# KiCad board PCB.kicad_pcb (continued)
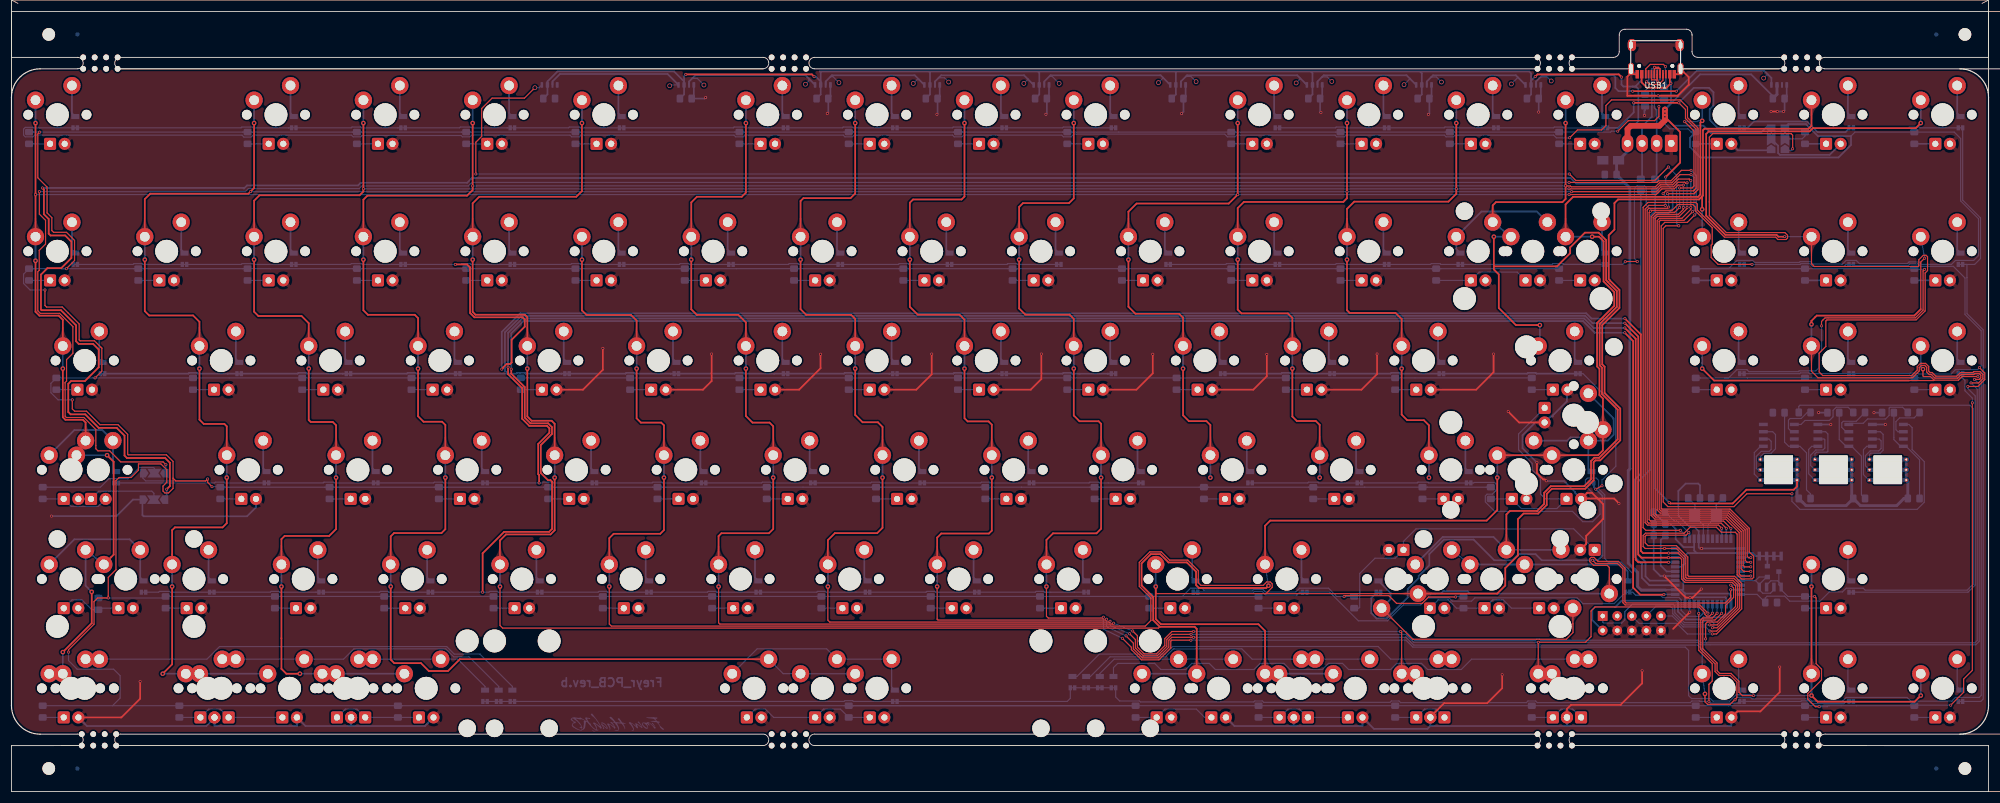
[diagram p0: board, top side]
## Routing (per net, layer and track width the routed paths; a pad name or vN(x,y) marks a point on that pad's centre or on a via; arc(x,y) is an arc through that point) (continued)
VCC: length 1009.7
  Top w0.3: USB1.11 284.14,125.04 284.14,123.66 285.08,122.72 288.47,122.72 v1(289.25,123.5) 289.06,123.68 USB1.2 ; v1(280.64,124.57) 280.16,125.04 265.99,125.04 v1(265.6,124.65) ; v1(288.2,117.64) 290.85,114.99 290.85,109.66 v1(288.34,107.14) ; v1(117.55,125.05) 117.56,125.04 139.52,125.04 v1(139.89,124.67) ; v1(288.94,50.41) 289.13,50.23 300.02,50.23 302.41,52.62 310.66,52.62 311.24,53.2 D232.6 ; v1(5.4,105.24) 5.65,104.99 5.65,100.66 6.49,99.83 6.49,97.27 6.81,96.95 9.36,96.95 10.44,95.87 10.44,93.03 8.67,91.26 6.26,91.26 5.14,90.13 5.14,84.04 5.26,83.93 8.62,83.93 11.25,81.29 11.25,78.51 11.73,78.04 14.24,78.04 15.21,77.07 15.21,73.98 12.8,71.57 10.38,71.57 9.9,71.09 9.9,66.18 10.31,65.76 12.85,65.76 15.21,63.41 18.34,63.41 19.7,62.05 19.7,58.57 20.12,58.16 26.78,58.16 27.61,57.32 27.61,53.27 v1(27.06,52.71)
  Top w1: J2.4 281.68,115.51 282.25,116.08 287.24,116.08 288.2,117.04 v1(288.2,117.64) 288.2,118.91 v1(288.21,118.91)
  Bottom w0.3: 291.47,39.56 291.09,39.18 U1.7 ; 291.47,39.56 291.4,39.49 291.4,35.25 291.19,35.04 ; 291.47,39.56 291.68,39.76 291.68,41.08 292.18,41.58 293.75,41.58 ; 291.19,35.04 291.34,34.89 ; 291.19,35.04 291.05,35.18 U1.2 288.35,35.18 288.31,35.13 ; 293.75,41.58 U1.24 303.53,41.58 304.06,41.05 Q2.5 Q2.8 ; 293.75,41.58 293.3,42.03 293.3,42.62 ; v1(265.6,124.65) 264.87,123.92 D230.4 ; 159.94,125.55 160.1,125.4 D225.4 160.1,121.55 C15.1 ; 159.94,125.55 140.9,125.55 141.05,125.4 D224.4 ; 159.94,125.55 178.93,125.55 ; Q2.6 306.06,40.91 Q1.2 ; D223.4 117.24,124.74 v1(117.55,125.05) ; D223.4 117.24,121.55 C12.1 ; D223.4 117.24,123.81 115.48,125.56 95.18,125.56 93.42,123.81 D222.4 93.42,121.55 C13.1 ; 293.3,42.62 291.46,42.62 290.08,44 290.08,45.82 289.22,46.68 C16.1 286.3,48.68 R1.2 ; 293.3,42.62 U1.14 ; 245.51,125.55 245.82,125.24 D229.4 245.82,121.55 C7.1 ; 245.51,125.55 226.48,125.55 ; 245.51,125.55 264.54,125.55 264.87,125.22 D230.4 ; J2.4 281.68,115 283.56,116.87 283.56,122.52 283.15,122.93 282.58,122.93 ; v1(288.94,50.41) 286.51,52.84 286.51,100.3 287.08,100.86 288.84,100.86 289.55,101.58 289.55,104.86 288.34,106.07 v1(288.34,107.14) ; 226.48,125.55 226.77,125.26 226.77,121.55 C14.1 ; 226.48,125.55 202.84,125.55 ; J4.2 275.56,29.87 275.56,31.71 276.06,32.21 279.58,32.21 280.65,33.28 290.26,33.28 290.47,33.07 290.47,31.38 291.85,30 294.57,30 294.95,30.38 298.45,30.38 299.7,31.63 U1.34 299.7,34.17 299.36,34.51 291.72,34.51 291.34,34.89 ; D230.4 264.87,121.55 C1.1 ; USB1.2 289.06,124.04 289.25,123.86 v1(289.25,123.5) 289.25,119.96 v1(288.21,118.91) 294.33,125.04 303.23,125.04 307.01,121.26 C2.1 ; C9.1 179.15,121.55 D226.4 179.15,125.33 178.93,125.55 ; 291.34,34.89 291.7,34.53 U1.44 ; D224.4 141.05,123.81 140.19,124.67 v1(139.89,124.67) ; D224.4 141.05,121.55 C11.1 ; 202.84,125.55 202.96,125.43 D227.4 202.96,121.55 C8.1 ; 202.84,125.55 178.93,125.55 ; v1(5.4,105.24) 40.44,105.24 40.53,105.15 41.06,105.68 60.41,105.68 60.87,106.14 79.43,106.14 80.26,106.97 271.76,106.97 272.73,106 281.34,106 ; v1(280.64,124.57) 280.64,123.26 280.97,122.93 282.58,122.93 ; USB1.11 284.16,124.04 283.05,122.93 282.58,122.93 ; v1(288.2,117.64) 289.75,116.1 294.9,116.1 296.17,114.83 304.89,114.83 305.87,115.81 JP3.3 ; v1(27.06,52.71) 27.06,51.13 JP1.3
  Bottom w0.5: 288.31,35.13 284.05,35.13 283.45,35.73 283.45,38.2 281.82,39.83 281.82,55.97 282.09,56.25 282.09,105.25 C10.1 279.77,109.72 C3.1 281.68,111.63 J2.4 ; D234.5 D234.6 330.54,54.02 R108.2 329.86,51.1 328.61,49.85 322.29,49.85 R107.2 ; C2.1 307.74,121.55 D231.4 ; D233.4 320.76,51.37 R107.2 ; D233.6 320.76,57.72 320.59,57.9 ; D234.4 330.26,56.27 330.09,56.1 ; R107.2 319.79,49.85 312.79,49.85 R106.2 311.24,51.4 D232.4
  Bottom w1: v1(288.21,118.91) v1(288.21,118.28) 288.21,117.65 v1(288.2,117.64)
/Backlight_LED: length 12.2
  Bottom w0.2: 304,36.78 304.66,36.12 ; 304,36.78 304.63,37.4 Q1.1 305.93,37.4 304.66,36.12 ; 304,36.78 U1.30 ; 304.66,36.12 Q2.4 304.66,35.17 305.26,34.57 306.6,34.57 307.2,35.17 Q2.2
/Caps_LED: length 522.8
  Top w0.2: v1(296.05,27.97) 297.22,27.97 301.24,32 301.24,36.15 300.21,37.18 292,37.18 291.84,37.34 291.84,37.75 291.84,37.76 291.84,40.75 290.2,42.38 v1(288.13,42.38) 284.77,42.38 284.41,42.74 284.41,44.63 284.83,45.05 291.56,45.05 292.6,46.1 297.16,46.1 298.05,45.21 300.46,45.21 300.8,44.88 300.8,37.8 301.52,37.08 303.41,37.08 303.68,37.34 303.68,41.02 302.9,41.8 302.9,45.9 299.55,49.25 287.69,49.25 287.56,49.38 287.56,98.62 288.19,99.24 292.11,99.24 v1(293.41,100.54) ; v1(271.49,106.2) 286.82,106.2 287.1,106.49 289.26,106.49 291.08,108.31 v1(292.77,108.31) ; v1(26.91,56.99) 26.43,57.48 19.04,57.48 17.12,59.4 15.07,59.4 14.7,59.77 14.7,63.13 12.62,65.21 9.57,65.21 9.35,65.43 9.35,71.32 9.6,71.57 9.6,75.31 10.7,76.41 10.7,81.06 8.39,83.38 5.03,83.38 4.59,83.82 4.59,90.63 4.84,90.88 4.84,94.36 5.94,95.46 5.94,99.6 4.86,100.68 v1(4.86,104.59)
  Bottom w0.2: J4.9 289.47,30.61 291.38,28.7 295.32,28.7 v1(296.05,27.97) ; v1(293.41,100.54) 293.66,100.79 293.66,107.42 v1(292.77,108.31) ; U1.11 v1(288.13,42.38) ; v1(26.91,56.99) 26.91,55.52 JP2.1 ; v1(4.86,104.59) 40.75,104.59 41.29,105.13 60.63,105.13 61.1,105.59 79.65,105.59 80.26,106.2 v1(271.49,106.2)
/Col1: length 597.6
  Top w0.2: v1(303.17,38.38) 301.96,38.38 301.5,38.84 301.5,45.32 298.97,47.85 286.6,47.85 286.16,48.29 286.16,100.06 286.75,100.64 290.56,100.64 291.41,101.5 v1(291.41,101.85) ; v1(271.5,104.09) 286.68,104.09 287.68,105.09 289.84,105.09 290.49,105.74 v1(291.41,105.74)
  Top w0.3: v2(8.95,24.31) 13.99,29.35 v2(13.99,34.82) ; SW2.1 v1(4.19,104.1) v2(4.19,116.55) ; v2(213.74,116.55) v1(213.74,104.09) 212.17,102.52 196.11,102.52 194.69,101.1 SW11.1 ; v2(204.21,73.74) 204.21,65.6 205.23,64.58 208.29,64.58 208.98,63.9 SW83.1 ; SW3.1 8.95,82.25 8.23,82.98 4.86,82.98 4.19,83.65 v2(4.19,92.55) ; v2(8.95,73.74) 8.95,65.26 9.4,64.81 12.46,64.81 12.92,64.35 SW5.2 SW4.1 ; v2(16.67,58.64) 17.81,57.5 17.81,41.31 SW6.1 ; v2(194.69,92.74) 194.69,84.53 195.92,83.3 203.52,83.3 204.21,82.61 SW12.1
  Bottom w0.2: v1(271.5,104.09) 214.12,104.09 214.12,104.09 v1(213.74,104.09) 4.65,104.09 4.64,104.1 v1(4.19,104.1) ; v1(303.17,38.38) 303.17,38.38 U1.28 ; v1(291.41,101.85) v1(291.41,105.74)
  Bottom w0.3: SW6.1 SW7.2 12.92,35.89 v2(13.99,34.82) ; SW3.1 v2(8.95,73.74) ; v2(8.95,24.31) SW8.1 SW105.1 ; SW83.1 v2(208.98,54.74) ; v2(16.67,58.64) 16.66,58.64 SW4.1 ; SW124.1 v2(213.74,116.55) ; SW11.1 v2(194.69,92.74) ; SW2.1 v2(4.19,92.55) ; SW1.1 v2(4.19,116.55) ; SW12.1 v2(204.21,73.74)
/Col2: length 594.1
  Top w0.2: v1(303.17,39.18) 302.07,39.18 301.85,39.41 301.85,45.47 299.12,48.2 286.74,48.2 286.51,48.43 286.51,99.91 286.52,99.91 286.9,100.29 290.71,100.29 292.06,101.65 v1(292.06,101.85) ; v1(271.94,104.59) 286.69,104.59 287.54,105.44 289.7,105.44 290.5,106.24 291.65,106.24 291.82,106.08 292,106.08 v1(292.06,106.14) ; 232.79,104.44 v1(232.79,104.59)
  Top w0.3: SW22.1 223.26,82.58 222.48,83.36 214.41,83.36 213.74,84.03 v2(213.74,92.74) ; SW15.1 32.76,81.9 31.66,83.01 24,83.01 23.24,83.77 v2(23.24,92.74) ; v2(232.79,116.55) 232.79,103.45 232.15,102.81 214.81,102.81 213.74,101.74 SW21.1 ; SW72.1 228.03,63.93 227.34,64.61 224.04,64.61 223.26,65.39 v2(223.26,73.74) ; SW17.1 28,45.57 28.49,46.05 36.79,46.05 37.53,46.79 v2(37.53,54.74) ; v2(32.76,73.74) 32.76,64.85 33.52,64.09 37.12,64.09 37.53,63.68 SW16.1 ; v2(42.29,116.55) 42.29,105.22 41.3,104.24 24.18,104.24 23.24,103.29 SW14.1 ; v2(28,35.74) 28,22.18 v2(26.36,20.54)
  Bottom w0.2: v1(41.66,104.59) 213.98,104.59 213.98,104.59 v1(232.79,104.59) v1(271.94,104.59) ; v1(292.06,101.85) v1(292.06,106.14) ; v1(303.17,39.18) 303.17,39.18 U1.27
  Bottom w0.3: SW16.1 v2(37.53,54.74) ; SW22.1 v2(223.26,73.74) ; SW15.1 v2(32.76,73.74) ; SW9.1 v2(232.79,116.55) ; SW106.1 SW18.1 SW107.1 26.36,20.54 v2(26.36,20.54) ; SW21.1 v2(213.74,92.74) ; SW10.1 v2(42.29,116.55) ; SW14.1 v2(23.24,92.74) ; SW17.1 v2(28,35.74) ; SW72.1 v2(228.03,54.74)
/Col3: length 575.2
  Top w0.2: v1(292.71,106.54) 292.46,106.79 290.55,106.79 289.55,105.79 287.39,105.79 286.69,105.09 v1(271.48,105.09) ; 61.34,105.03 v1(61.34,105.09) ; v1(303.17,39.98) 302.53,39.98 302.2,40.31 302.2,45.61 299.26,48.55 287.4,48.55 286.86,49.09 286.86,99.53 287.27,99.94 291.16,99.94 292.71,101.5 v1(292.71,101.85) ; 251.84,104.99 v1(251.84,105.09)
  Top w0.3: v2(56.58,54.74) 56.58,45.76 55.38,44.56 47.61,44.56 47.05,44 SW27.1 ; v2(232.79,92.74) 232.79,83.92 233.26,83.45 241.25,83.45 242.31,82.38 SW32.1 ; v2(242.31,73.74) 242.31,65.73 243.29,64.75 246.18,64.75 247.08,63.85 SW62.1 ; v2(47.05,35.74) 47.05,21.4 47.91,20.54 v2(50.27,20.54) ; SW31.1 232.79,101.59 234.05,102.86 250.47,102.86 251.84,104.23 v2(251.84,116.55) ; SW29.1 SW109.1 ; v2(51.81,73.74) 51.81,64.78 52.17,64.43 56.01,64.43 56.58,63.86 SW26.1 ; SW24.1 42.29,103.02 43.23,103.96 60.68,103.96 61.34,104.63 v2(61.34,116.55) ; v2(42.29,92.74) 42.29,83.67 43.04,82.91 50.56,82.91 51.81,81.66 SW25.1
  Bottom w0.2: U1.26 303.17,39.98 v1(303.17,39.98) ; v1(292.71,101.85) v1(292.71,106.54) ; v1(271.48,105.09) v1(251.84,105.09) 61.87,105.09 61.87,105.09 v1(61.34,105.09)
  Bottom w0.3: v2(56.58,54.74) SW26.1 ; v2(61.34,116.55) SW19.1 ; SW32.1 v2(242.31,73.74) ; v2(50.27,20.54) 50.27,20.54 SW29.1 ; SW25.1 v2(51.81,73.74) ; SW109.1 SW108.1 ; SW27.1 v2(47.05,35.74) ; SW24.1 v2(42.29,92.74) ; v2(251.84,116.55) SW20.1 ; SW62.1 v2(247.08,54.74) ; SW31.1 v2(232.79,92.74)
/Col4: length 710.3
  Top w0.2: v1(292.77,107.56) 290.83,107.56 289.41,106.14 287.25,106.14 286.55,105.44 271.87,105.44 271.72,105.59 271.12,105.59 270.89,105.36 v1(270.89,105.61) ; v1(293.02,101.1) 291.52,99.59 287.42,99.59 287.21,99.38 287.21,49.24 287.55,48.9 299.41,48.9 302.55,45.76 302.55,41.02 302.78,40.78 v1(303.18,40.78) ; 80.39,105.53 v1(80.39,105.59)
  Top w0.3: SW34.1 61.34,103.2 62.03,103.89 79.4,103.89 80.39,104.88 v2(80.39,116.55) ; SW84.2 260.57,48.31 261.18,48.92 265.92,48.92 267.15,50.15 267.15,52.08 268.31,53.24 274.13,53.24 275.33,54.44 275.33,57.62 275.9,58.19 276.73,58.19 279.97,61.42 279.97,66.58 277.24,69.32 277.24,73.89 276.83,74.3 276.83,81.51 279.82,84.51 279.82,87.27 278.21,88.88 278.21,88.9 277.96,89.15 277.96,96.14 276.65,97.44 274.25,97.44 271.69,94.87 271.69,93.85 269.41,91.58 258.43,91.58 258.38,91.62 ; 270.89,105.36 270.89,103.32 270.34,102.77 258.77,102.77 258.19,102.2 SW74.2 ; SW110.2 78.15,23.08 76.08,21.01 72.75,21.01 71.37,22.39 66.72,22.39 66.1,23.01 v2(66.1,35.74) ; SW36.1 75.63,63.92 75.06,64.48 71.82,64.48 70.86,65.44 v2(70.86,73.74) ; v1(270.89,105.61) v2(270.89,116.55) ; v2(258.38,96.74) 258.38,91.62 ; 258.38,91.62 258.38,91.03 259.25,90.17 259.25,84.31 262.23,81.33 v2(266.41,81.33) ; SW35.1 70.86,82.55 70.3,83.12 62.13,83.12 61.34,83.91 v2(61.34,92.74) ; v2(75.63,54.74) 75.63,45.74 74.95,45.07 66.69,45.07 66.1,44.49 SW38.1
  Bottom w0.2: SW111.1 SW39.1 ; v1(80.39,105.59) 81.07,105.59 81.09,105.61 v1(270.89,105.61) ; U1.25 303.17,40.78 v1(303.18,40.78) ; SW39.1 134.51,20.55 SW110.2 ; v1(292.77,107.56) 293.27,107.06 293.27,101.35 v1(293.02,101.1)
  Bottom w0.3: SW28.1 v2(80.39,116.55) ; SW36.1 v2(75.63,54.74) ; SW34.1 v2(61.34,92.74) ; SW91.2 SW84.2 258.32,44.38 249.48,44.38 SW82.1 ; 266.41,77.7 v2(266.41,81.33) ; SW38.1 v2(66.1,35.74) ; SW41.1 258.39,96.74 v2(258.38,96.74) ; SW35.1 v2(70.86,73.74) ; SW74.2 SW41.1 ; SW30.1 v2(270.89,116.55)
/Col5: length 588.5
  Top w0.2: v1(290.76,101.85) 289.91,100.99 286.6,100.99 285.81,100.2 285.81,48.14 286.45,47.5 298.83,47.5 301.15,45.18 301.15,37.95 301.52,37.58 v1(303.17,37.58) ; v1(290.76,105.24) 292.93,105.24 293.27,105.57 293.27,115.17 v1(291.63,116.8) ; v2(85.15,35.74) 85.15,28.96 85.61,28.5 199.93,28.5 200.16,28.72
  Top w0.3: v2(219.1,35.89) 218.7,35.49 206.98,35.49 206.47,36 206.47,38.35 204.88,39.95 201.68,39.95 200.24,41.39 198.59,41.39 196.98,39.78 196.98,35.94 199,33.92 199,29.88 200.16,28.72 206.24,28.72 206.6,28.37 SW112.1 ; v2(99.44,116.55) 99.44,104.7 98.44,103.7 81.53,103.7 80.39,102.56 SW44.1 ; SW101.1 218.5,46.34 219.4,47.24 257.14,47.24 258.98,49.09 v2(258.98,54.74) ; SW63.1 270.89,102.38 272.2,103.69 293.97,103.69 294.38,104.1 294.38,116.63 v2(294.7,116.95) ; v2(275.52,96.74) 276.72,96.74 277.51,95.95 277.51,88.95 279.37,87.08 279.37,84.69 276.38,81.7 276.38,74.12 276.79,73.71 276.79,69.13 277.4,68.52 SW93.2 277.4,59.49 276.55,58.64 SW119.1 SW52.1 ; v2(89.91,73.74) 89.91,65.4 90.66,64.65 94.15,64.65 94.68,64.12 SW47.1 ; SW48.1 85.15,43.78 86.2,44.83 93.95,44.83 94.68,45.56 v2(94.68,54.74) ; 89.91,77.69 89.91,82.72 89.49,83.14 80.88,83.14 80.39,83.63 v2(80.39,92.74)
  Bottom w0.2: v1(291.63,116.8) 293.85,116.8 294,116.95 v2(294.7,116.95) ; U1.29 303.17,37.58 v1(303.17,37.58) ; SW101.1 v2(219.1,35.89) ; v1(290.76,101.85) 290.76,105.24 v1(290.76,105.24)
  Bottom w0.3: SW40.1 v2(294.7,116.95) ; v2(258.98,54.74) SW52.1 ; SW48.1 v2(85.15,35.74) ; SW37.1 v2(99.44,116.55) ; SW47.1 v2(94.68,54.74) ; v2(89.91,73.74) 89.91,77.69 ; SW44.1 v2(80.39,92.74) ; SW49.1 197.07,20.54 SW112.1 ; SW63.1 v2(275.52,96.74)
/Col6: length 556.4
  Top w0.2: SW120.1 218.67,34.51 ; 218.67,34.51 219.75,35.59 219.75,36.2 219.42,36.54 218.79,36.54 218.2,35.95 207.34,35.95 206.87,36.41 206.87,38.51 205.04,40.35 201.85,40.35 200.4,41.79 198.42,41.79 196.58,39.95 196.58,35.78 198.6,33.76 198.6,29.82 197.63,28.85 104.56,28.85 104.2,29.21 v2(104.2,35.74) ; 218.67,34.51 199.62,34.51 199.45,34.68 v2(199.45,35.74) ; v1(299.67,35.18) 299.67,33.84 298.71,32.88 281.43,32.88 281.23,33.08 281.23,38.98 280.08,40.13 276.53,40.13 275.84,40.83 275.36,40.83 275.1,40.57 275.1,40.09 275.75,39.43 278.16,39.43 278.51,39.08 SW100.1
  Top w0.3: SW57.1 113.73,63.85 113.25,64.33 109.71,64.33 108.96,65.08 v2(108.96,73.74) ; SW59.1 218.5,28.03 217.35,29.17 200.35,29.17 199.45,30.07 v2(199.45,35.74) ; v2(294.69,101.51) 294.69,103.77 294.38,103.46 ; 294.38,103.46 294.16,103.24 280.04,103.24 279.4,102.6 279.4,97.99 278.41,97 278.41,89.34 278.66,89.09 278.66,89.07 280.27,87.45 280.27,84.32 277.28,81.32 277.28,74.49 277.69,74.08 277.69,69.5 280.42,66.77 280.42,61.24 276.92,57.74 276.09,57.74 275.78,57.43 275.78,54.26 274.31,52.79 268.49,52.79 267.6,51.9 267.6,49.96 266.11,48.47 263.57,48.47 262.58,47.48 262.58,41.16 260.37,38.96 260.37,35.92 258.96,34.51 SW120.1 ; 294.38,103.46 294.83,103.91 294.83,115.3 295.1,115.56 313.23,115.56 313.75,116.09 SW50.1 ; v2(99.44,92.74) 99.44,83.89 100.22,83.1 107.98,83.1 108.96,82.12 SW56.1 ; SW58.1 104.2,44.18 104.96,44.94 113.09,44.94 113.73,45.58 v2(113.73,54.74)
  Bottom w0.2: v1(299.67,35.18) 299.67,35.18 U1.32 ; SW115.1 SW59.1
  Bottom w0.3: SW57.1 v2(113.73,54.74) ; SW54.1 v2(99.44,92.74) ; SW56.1 v2(108.96,73.74) ; SW115.1 SW114.1 ; SW92.1 v2(199.45,35.74) ; SW100.1 254.23,34.51 253.79,34.94 249.57,34.94 249.14,34.51 SW120.1 ; SW58.1 v2(104.2,35.74) ; v2(294.69,101.51) 294.7,101.51 SW51.1
/Col7: length 591.7
  Top w0.2: v1(192.12,29.35) 191.97,29.2 123.48,29.2 123.25,29.43 v2(123.25,35.74) ; SW61.1 313.75,92.03 314.24,91.54 332.35,91.54 332.45,91.65 332.45,92.71 333.24,93.5 333.72,93.5 333.98,93.24 333.98,90.83 333.57,90.42 333.57,83.81 331.99,82.24 316.45,82.24 316.26,82.05 316.26,77.6 315.1,76.44 315.1,73.15 315.72,72.52 331.22,72.52 332.18,73.48 332.18,74.07 332.76,74.65 333.64,74.65 334.18,74.11 334.18,73.3 334.42,73.06 334.79,73.06 335.43,72.42 339.08,72.42 339.71,73.06 341.89,73.06 342.04,73.21 343.14,73.21 343.61,72.74 343.61,71.97 342.88,71.24 v1(341.56,71.24) ; SW117.1 242.31,27.72 v1(242.12,27.91) ; v1(195.43,28) 196.26,27.17 196.26,25.18 197.42,24.01 199.58,24.01 201.02,25.46 201.02,26.67 202.26,27.9 v1(206.05,27.9) ; v1(309.08,96.75) 308.82,96.75 308.81,96.74 ; v1(299.68,35.98) 300.17,35.49 300.17,33.85 298.77,32.45 298.77,31.01 297.31,29.55 295.58,29.55 295.3,29.27 v1(295.3,26.61)
  Top w0.3: v2(118.49,92.74) 118.49,84.08 119.45,83.11 126.7,83.11 128.01,81.8 SW66.1 ; SW67.1 132.78,63.68 132.13,64.33 129.16,64.33 128.01,65.48 v2(128.01,73.74) ; SW68.1 123.25,44.54 123.75,45.04 132.03,45.04 132.78,45.78 v2(132.78,54.74) ; 308.81,96.74 307.98,96.74 307.66,97.06 298.75,97.06 295.39,100.41 295.39,114.65 295.86,115.11 313.44,115.11 313.99,115.67 331.92,115.67 v2(332.8,116.55) ; v2(128.01,116.55) 128.01,104.43 127.29,103.7 119.48,103.7 118.49,102.71 SW65.1
  Bottom w0.2: SW61.1 309.08,96.75 v1(309.08,96.75) ; v1(295.3,26.61) 295.3,26.08 295.44,25.94 ; v1(341.56,71.24) 342.64,70.16 342.64,26.34 342.24,25.94 295.44,25.94 ; U1.31 299.68,35.98 v1(299.68,35.98) ; 295.44,25.94 294.49,25.94 294.05,26.38 266.52,26.38 266.35,26.55 265.84,26.55 265.67,26.38 244.57,26.38 243.03,27.91 v1(242.12,27.91) 242.11,27.9 v1(206.05,27.9) ; SW117.1 SW69.1 ; v1(192.12,29.35) v1(195.43,28)
  Bottom w0.3: SW68.1 v2(123.25,35.74) ; v2(332.8,116.55) SW60.1 ; SW55.1 v2(128.01,116.55) ; v2(128.01,73.74) SW66.1 ; SW65.1 v2(118.49,92.74) ; SW67.1 v2(132.78,54.74)
/Col8: length 495.8
  Top w0.2: v1(342.15,71.86) 343,71.86 343.26,72.12 343.26,72.6 343,72.86 342.19,72.86 342.04,72.71 339.85,72.71 339.22,72.07 335.28,72.07 334.65,72.71 334.27,72.71 333.83,73.15 333.83,73.96 333.49,74.3 332.9,74.3 332.53,73.93 332.53,73.34 331.33,72.14 314.89,72.14 313.75,73.28 SW71.1 ; v1(333.48,93) 332.8,92.32 332.8,84.11 ; v1(191.49,29.7) 191.34,29.55 142.63,29.55 142.3,29.88 v2(142.3,35.74) ; v1(205.61,27.4) 202.26,27.4 201.37,26.52 201.37,25.31 199.72,23.66 197.28,23.66 195.91,25.03 195.91,26.5 v1(194.89,27.51) ; SW79.1 266.13,26.02 v1(266.13,26.03) 274.35,26.03 275.33,27 275.33,31.47 276.04,32.18 294.12,32.18 295.16,31.14 295.16,30.9 295.46,30.6 296,30.6 v1(296.5,31.1)
  Top w0.3: 332.8,84.11 331.68,82.99 314.67,82.99 313.74,82.06 v2(313.74,81.46) ; SW75.1 137.54,102.97 138.04,103.46 146.25,103.46 147.06,104.27 v2(147.06,116.55) ; v2(147.06,73.74) 147.06,65.67 148.35,64.38 151.02,64.38 151.83,63.58 SW77.1 ; v2(137.54,92.74) 137.54,84.11 138.54,83.11 146.36,83.11 147.06,82.41 SW76.1 ; v2(151.83,54.74) 151.83,45.99 150.89,45.05 143.52,45.05 142.3,43.83 SW78.1
  Bottom w0.2: v1(342.15,71.86) 342.99,71.02 342.99,26.2 342.38,25.59 294.34,25.59 293.9,26.03 v1(266.13,26.03) 244.42,26.03 243.05,27.4 v1(205.61,27.4) ; v1(296.5,31.1) 296.5,31.1 U1.38 ; SW118.1 SW79.1 ; v1(194.89,27.51) 191.49,28.96 v1(191.49,29.7) ; v1(333.48,93) SW70.1
  Bottom w0.3: SW77.1 v2(151.83,54.74) ; SW64.1 v2(147.06,116.55) ; v2(313.74,81.46) 313.75,81.46 SW71.1 ; SW76.1 v2(147.06,73.74) ; SW78.1 v2(142.3,35.74) ; SW75.1 v2(137.54,92.74)
/Col9: length 459.7
  Top w0.2: v1(342.76,72.36) 340,72.36 339.37,71.72 335.14,71.72 ; 335.14,71.72 335.08,71.66 330.73,71.66 ; 335.14,71.72 334.5,72.36 333.29,72.36 333.18,72.47 v2(333.18,73.65) ; v1(190.89,30.05) 190.74,29.9 161.49,29.9 161.35,30.04 v2(161.35,35.74) ; 300.39,16.03 299.58,15.21 295.63,15.21 295.19,15.66 v2(295.19,17.03) ; 300.39,16.03 300.76,16.39 300.76,19.08 299.59,20.24 297.63,20.24 296.95,20.92 296.95,22.26 294.45,24.76 294.45,29.92 294.78,30.25 296.46,30.25 v1(297.3,31.09) ; 300.39,16.03 v1(300.43,15.99) ; v1(194.27,27.14) 195.56,25.86 195.56,24.89 197.13,23.31 199.87,23.31 201.72,25.17 201.72,26.38 202.24,26.89 v1(206.05,26.89)
  Top w0.3: SW88.1 161.35,44.28 162.06,44.99 170.37,44.99 170.88,45.49 v2(170.88,54.74) ; v2(294.7,73.74) 296.78,71.66 330.73,71.66 ; v2(166.11,116.55) 166.11,103.75 165.6,103.23 157.15,103.23 156.59,102.67 SW85.1 ; SW87.1 170.88,63.97 170.32,64.54 166.67,64.54 166.11,65.09 v2(166.11,73.74) ; v2(156.59,92.74) 156.59,84.52 157.97,83.14 165.25,83.14 166.11,82.28 SW86.1
  Bottom w0.2: v1(342.76,72.36) 343.34,71.78 343.34,16.75 342.99,16.4 338.84,16.4 338.19,15.76 332.37,15.76 332.33,15.79 331.02,15.79 330.41,16.4 319.79,16.4 319.14,15.76 316.05,15.76 ; 316.05,15.76 313.82,15.76 313.41,16.16 303.37,16.16 303.13,16.4 300.74,16.4 300.68,16.35 300.68,16.24 v1(300.43,15.99) ; 316.05,15.76 315.87,15.76 ; v1(297.3,31.09) 297.3,31.1 U1.37 ; v1(206.05,26.89) 243.07,26.89 243.83,26.12 244.43,25.53 293.91,25.53 294.7,24.73 SW89.1 v2(295.19,17.03) ; 190.89,28.73 v1(194.27,27.14) ; 190.89,28.73 v1(190.89,30.05) ; 190.89,28.73 190.88,28.72
  Bottom w0.3: v2(333.18,73.65) 332.8,74.03 SW80.1 ; SW81.1 v2(294.7,73.74) ; SW85.1 v2(156.59,92.74) ; SW87.1 v2(170.88,54.74) ; SW88.1 v2(161.35,35.74) ; SW73.1 v2(166.11,116.55) ; SW86.1 v2(166.11,73.74)
/Col10: length 339.9
  Top w0.2: v1(205.57,26.39) 202.23,26.39 202.07,26.23 202.07,25.02 200.01,22.96 196.99,22.96 195.21,24.74 195.21,25.15 v1(193.64,26.72) ; v1(190.33,30.4) 190.18,30.25 180.72,30.25 180.4,30.57 v2(180.4,35.74) ; v1(298.1,31.08) 296.92,29.9 294.93,29.9 294.8,29.77 294.8,24.91 297.3,22.4 297.3,21.06 297.77,20.59 299.73,20.59 301.11,19.22 301.11,17.33 301.71,16.72 v1(303.66,16.72)
  Top w0.3: SW97.1 180.4,43.86 181.56,45.02 189.12,45.02 189.93,45.82 v2(189.93,54.74) ; SW94.1 175.64,101.92 176.31,102.6 184.34,102.6 185.16,103.43 v2(185.16,116.55) ; SW95.1 185.16,82.41 184.42,83.15 176.72,83.15 175.64,84.23 v2(175.64,92.74) ; v2(185.16,73.74) 185.16,65.56 186.16,64.56 189.49,64.56 189.93,64.12 SW96.1 ; v2(332.8,16.74) 331.72,15.66 314.84,15.66 v2(313.75,16.74) ; v2(313.75,35.74) SW98.1
  Bottom w0.2: v1(205.57,26.39) 243.07,26.39 244.28,25.18 291.75,25.18 292.33,24.6 292.33,16.72 292.85,16.21 296.12,16.21 296.57,15.75 299.49,15.75 300.62,16.88 303.15,16.88 303.3,16.72 v1(303.66,16.72) 303.67,16.74 v2(313.75,16.74) ; v1(298.1,31.08) 298.1,31.08 U1.36 ; v1(190.33,30.4) 190.32,28.32 v1(193.64,26.72)
  Bottom w0.3: SW46.1 v2(185.16,116.55) ; SW99.1 v2(332.8,16.74) ; SW96.1 v2(189.93,54.74) ; SW98.1 v2(313.75,16.74) ; SW90.1 v2(313.75,35.74) ; SW95.1 v2(185.16,73.74) ; SW97.1 v2(180.4,35.74) ; SW94.1 v2(175.64,92.74)
/D+: length 26.2
  Top w0.2: v1(286.89,123.8) 286.86,123.83 USB1.6 286.86,124.14 286.81,124.09 285.91,124.09 285.86,124.14 USB1.8
  Bottom w0.2: v1(286.89,123.8) 286.64,124.05 286.46,124.05 286.41,124.09 ; USB1#2.8 287.36,124.14 287.31,124.09 286.41,124.09 ; 286.41,124.09 286.36,124.14 USB1#2.6 286.36,119.2 286.61,118.96
  Bottom w0.3: 286.61,118.96 286.76,118.8 J2.2 286.76,107.09 R5.2
/D-: length 26.3
  Top w0.2: 287.36,125.99 287.31,126.04 286.41,126.04 286.36,125.99 USB1.7 ; 287.36,125.99 USB1.5 ; 287.36,125.99 287.07,126.28 v1(286.38,126.28)
  Bottom w0.2: 286.13,126.04 286.38,126.28 v1(286.38,126.28) ; 286.13,126.04 285.91,126.04 285.86,125.99 USB1#2.5 285.86,123.11 285.88,123.09 ; 286.13,126.04 286.81,126.04 286.86,125.99 USB1#2.7
  Bottom w0.3: R4.2 284.22,107.05 J2.3 284.22,115.96 285.92,117.66 285.92,123.05 285.88,123.09
/E2: length 106.3
  Bottom w0.2: U1.33 304.28,34.38 R6.2 305.7,33.76 306,34.06 309.09,34.06 309.95,33.19 315.25,33.19 316.86,34.81 319.14,34.81 319.79,35.45 322.76,35.45 323.11,35.11 340.89,35.11 341.94,36.16 341.94,66.78 341.36,67.36 311.74,67.36 311.54,67.15 R103.1
/reset: length 65.2
  Top w0.2: v1(292.37,45.16) 291.91,44.7 284.98,44.7 284.76,44.48 284.76,43.37 285.25,42.88 290.2,42.88 292.19,40.89 292.19,37.66 292.32,37.53 300.36,37.53 301.59,36.29 301.59,31.85 297.21,27.47 v1(296.49,27.47)
  Bottom w0.2: R1.1 289.78,47.2 290.33,47.2 292.5,45.03 ; v1(296.49,27.47) 292.12,27.47 290.27,29.32 283.73,29.32 J4.5 ; 292.5,45.03 U1.13 292.5,45.03 ; 292.5,45.03 v1(292.37,45.16)
/RGB_OUT_VGS: length 359.8
  Top w0.2: v1(310.35,51.92) 302.49,51.92 300.25,49.68 288.72,49.68 287.91,50.48 287.91,98.19 288.36,98.64 v1(290.62,98.64) ; v1(271.54,107.67) 272.66,106.55 286.46,106.55 v1(288.8,108.9) ; v3(91.24,122.72) 89.41,120.9 83.77,120.9 81.96,119.09 81.96,114.23 80.94,113.21 v1(80.94,107.67)
  Bottom w0.2: v3(91.24,122.72) 91.96,122.72 D222.3 ; U4.5 330.74,64 331.3,63.45 331.3,59.63 333.41,57.51 333.41,50.44 332.17,49.2 311.74,49.2 310.35,50.6 v1(310.35,51.92) ; v1(271.54,107.67) v1(80.94,107.67) ; v1(288.8,108.9) 290.26,107.44 290.26,99 v1(290.62,98.64)
/Row1: length 589.8
  Top w0.2: v1(298.9,45.9) 298,46.8 285.33,46.8 285.11,47.02 285.11,101.41 285.39,101.69 288.63,101.69 v1(288.85,101.92) ; v1(288.64,104.24) 293.27,104.24 ; 293.27,104.24 293.57,104.54 ; 293.27,104.24 293.57,104.54 ; 293.57,104.54 293.97,104.94 293.97,115.67 292.14,117.5 292.14,119.31 290.86,120.59 278.89,120.59 277.92,119.61 277.92,116.12 277.16,115.36 272.97,115.36 v1(271.59,113.98)
  Bottom w0.2: v1(288.64,104.24) 288.85,104.03 v1(288.85,101.92) ; D2.1 40.01,115.72 40.15,115.86 41.98,115.86 42.11,115.72 48.33,115.72 48.33,115.72 D12.1 D12.1 59.21,115.72 59.35,115.86 60.89,115.86 61.03,115.72 67.38,115.72 67.38,115.72 D21.1 D21.1 78.1,115.72 78.24,115.86 80.05,115.86 80.19,115.72 86.43,115.72 86.43,115.72 D30.1 D30.1 97.1,115.72 97.24,115.86 99.05,115.86 99.19,115.72 106.24,115.72 106.24,115.72 D39.1 125.83,115.72 125.96,115.86 127.77,115.86 127.91,115.72 134.81,115.72 134.82,115.72 D57.1 144.84,115.72 144.98,115.86 146.61,115.86 146.75,115.72 153.86,115.72 153.87,115.72 D66.1 164.02,115.72 164.16,115.86 165.79,115.86 165.92,115.72 172.91,115.72 172.92,115.72 D75.1 183.2,115.72 183.34,115.86 184.71,115.86 184.85,115.72 191.96,115.72 191.97,115.72 D84.1 ; D2.1 D2.1 ; D2.1 3.81,115.72 3.72,115.81 2.4,115.81 2.11,115.51 2.11,114.45 2.4,114.16 3.72,114.16 4.01,114.45 40.18,114.45 40.52,114.11 41.77,114.11 42.11,114.45 59.26,114.45 59.55,114.16 60.87,114.16 61.09,114.38 78.38,114.38 78.6,114.16 79.92,114.16 80.21,114.45 97.36,114.45 97.65,114.16 98.97,114.16 99.26,114.45 125.94,114.45 126.23,114.16 127.54,114.16 127.84,114.45 144.99,114.45 145.28,114.16 146.59,114.16 146.89,114.45 164.04,114.45 164.33,114.16 165.64,114.16 165.94,114.45 183.07,114.45 183.37,114.16 184.69,114.16 185.16,114.63 211.49,114.63 211.95,114.16 213.27,114.16 213.56,114.45 230.71,114.45 231,114.16 232.32,114.16 232.61,114.45 249.76,114.45 250.05,114.16 251.37,114.16 251.66,114.45 268.81,114.45 269.28,113.98 v1(271.59,113.98)